# KiCad board driver.kicad_pcb
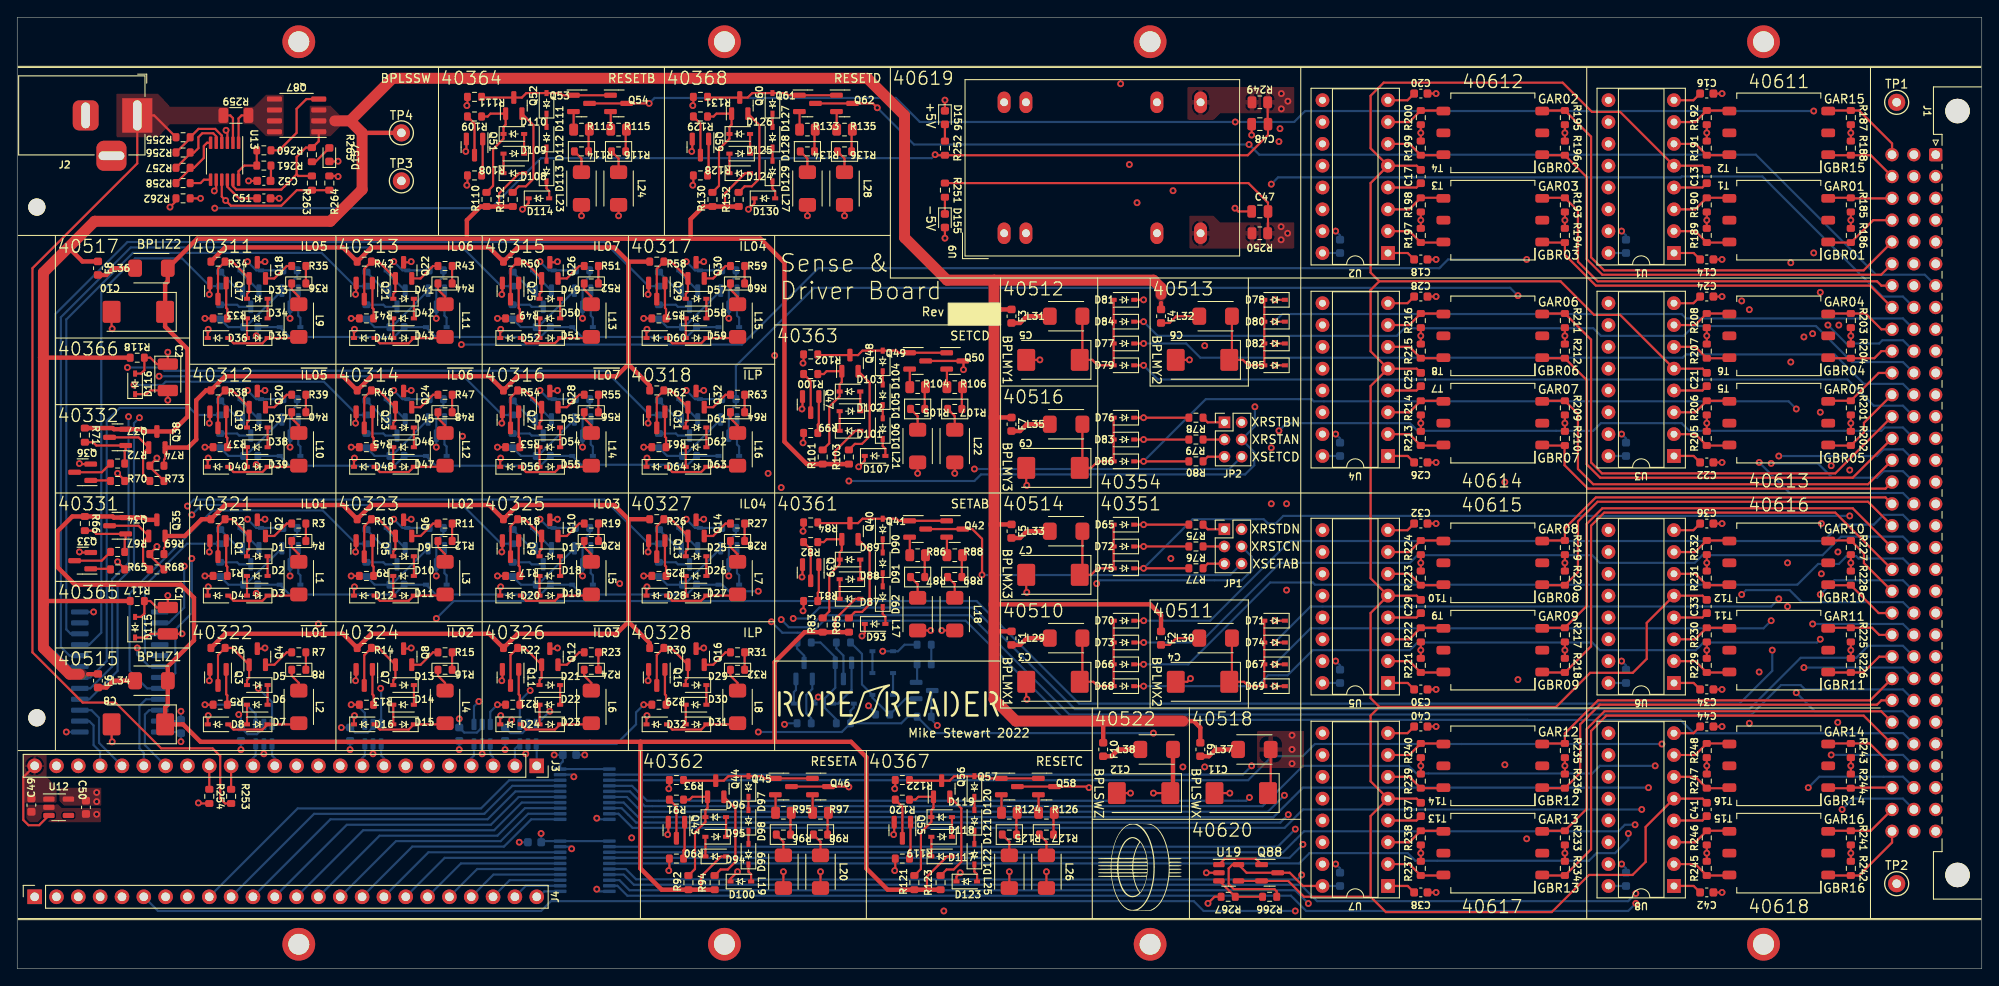
[diagram p0: board, top side]
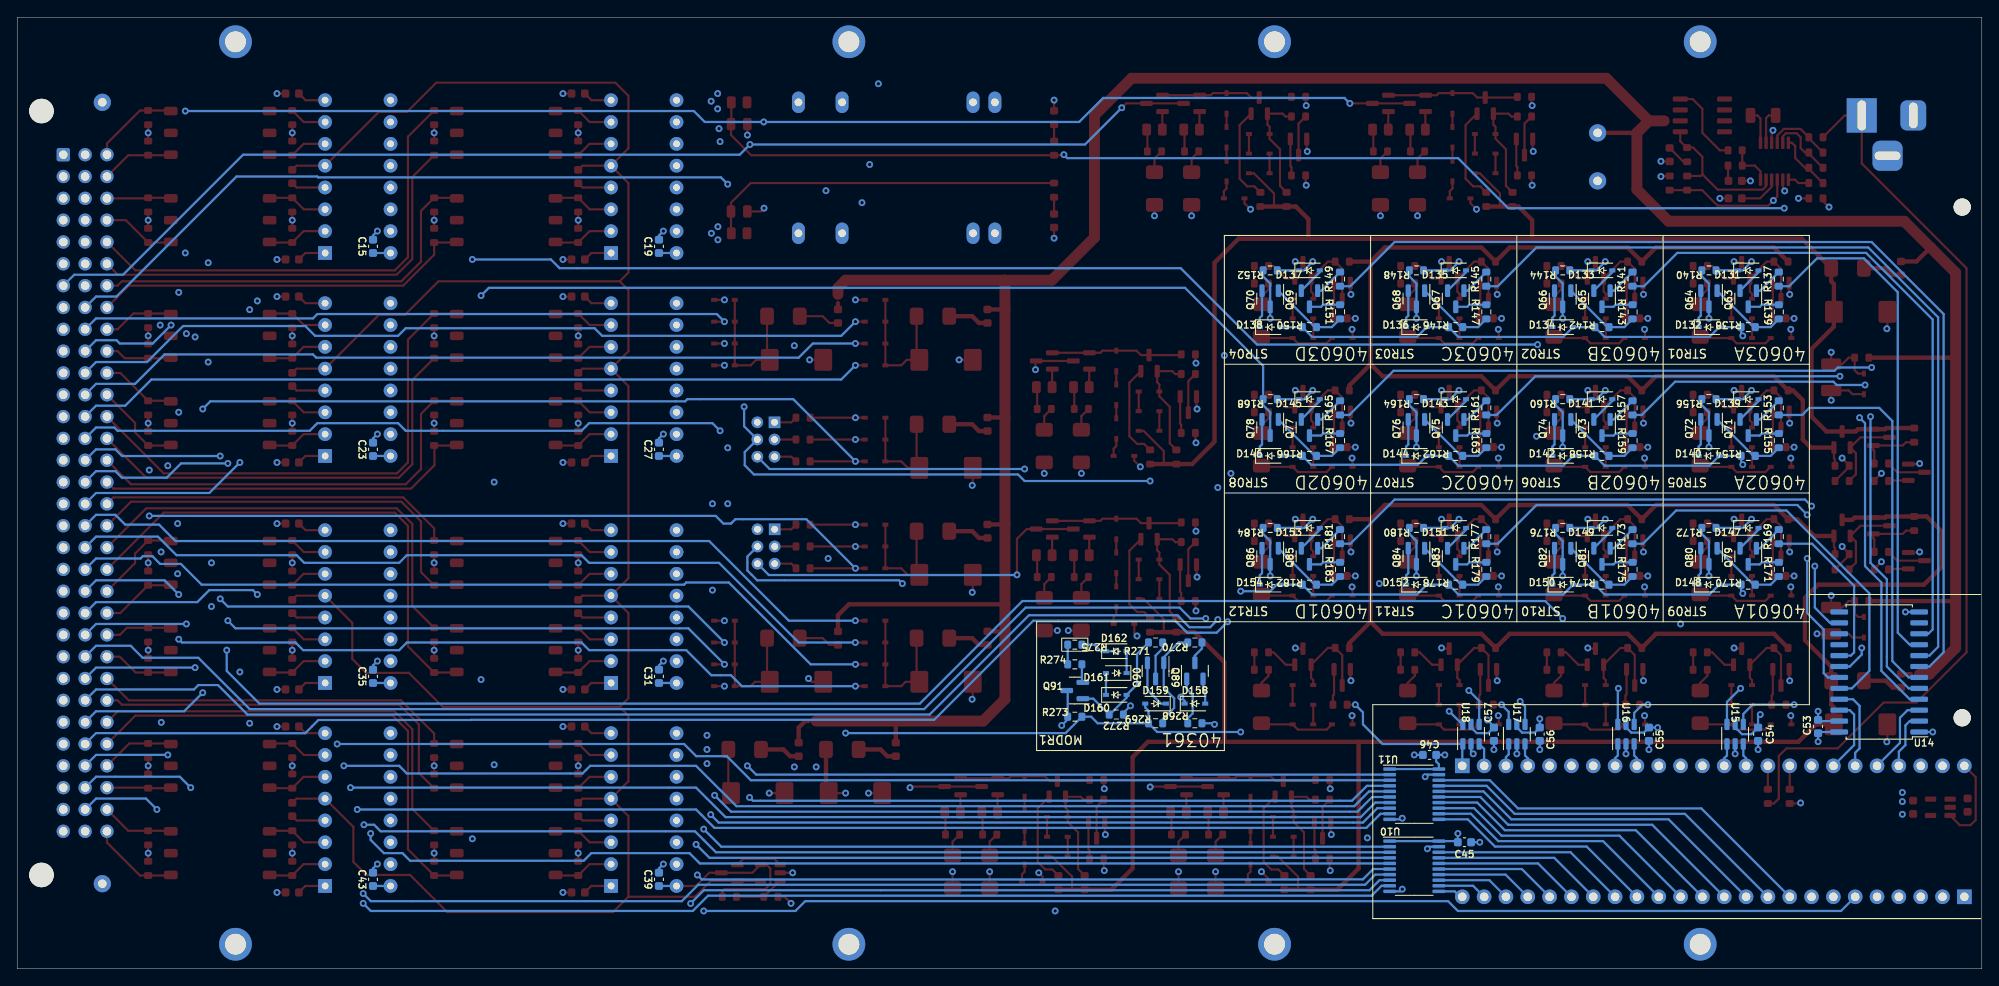
[diagram p1: board, bottom side, seen from below]

Outline 228.6 x 110.74 mm; copper layers: Top, In1.Cu, In2.Cu, In3.Cu, In4.Cu, Bottom. Coordinates in mm from the lower left corner of the outline.
Outline path: rectangle 0,110.74 228.6,0
Stack: Top 0.035mm / dielectric 0.274mm FR4 er 4.5 / In1.Cu 0.035mm / dielectric 0.274mm FR4 er 4.5 / In2.Cu 0.035mm / dielectric 0.274mm FR4 er 4.5 / In3.Cu 0.035mm / dielectric 0.274mm FR4 er 4.5 / In4.Cu 0.035mm / dielectric 0.274mm FR4 er 4.5 / Bottom 0.035mm

## Placement (name value [footprint] x y rotation side)
C1  1.0uF  [CP_EIA-3528-21_Kemet-B]  17.53 40.51 270 top
C2  1.0uF  [CP_EIA-3528-21_Kemet-B]  17.53 68.83 270 top
C3  6.8uF  [CP_EIA-7343-31_Kemet-D]  120.52 33.4 180 top
C4  6.8uF  [CP_EIA-7343-31_Kemet-D]  137.92 33.4 180 top
C5  6.8uF  [CP_EIA-7343-31_Kemet-D]  120.52 70.87 180 top
C6  6.8uF  [CP_EIA-7343-31_Kemet-D]  137.92 70.87 180 top
C7  6.8uF  [CP_EIA-7343-31_Kemet-D]  120.52 45.85 180 top
C8  6.8uF  [CP_EIA-7343-31_Kemet-D]  14.1 28.45 180 top
C9  6.8uF  [CP_EIA-7343-31_Kemet-D]  120.52 58.29 180 top
C10  6.8uF  [CP_EIA-7343-31_Kemet-D]  14.1 76.45 180 top
C11  6.8uF  [CP_EIA-7343-31_Kemet-D]  142.43 20.45 180 top
C12  6.8uF  [CP_EIA-7343-31_Kemet-D]  131.06 20.45 180 top
C13  0.01uF  [C_0603_1608Metric]  196.6 92.2 90 top
C14  100pF  [C_0603_1608Metric]  196.6 82.55 180 top
C15  0.01uF  [C_0603_1608Metric]  187.2 84.07 90 bottom
C16  0.01uF  [C_0603_1608Metric]  196.6 101.85 180 top
C17  0.01uF  [C_0603_1608Metric]  163.32 92.2 90 top
C18  100pF  [C_0603_1608Metric]  163.32 82.55 180 top
C19  0.01uF  [C_0603_1608Metric]  153.92 84.07 90 bottom
C20  0.01uF  [C_0603_1608Metric]  163.32 101.85 180 top
C21  0.01uF  [C_0603_1608Metric]  196.6 68.58 90 top
C22  100pF  [C_0603_1608Metric]  196.6 58.93 180 top
C23  0.01uF  [C_0603_1608Metric]  187.2 60.45 90 bottom
C24  0.01uF  [C_0603_1608Metric]  196.6 78.23 180 top
C25  0.01uF  [C_0603_1608Metric]  163.32 68.58 90 top
C26  100pF  [C_0603_1608Metric]  163.32 58.93 180 top
C27  0.01uF  [C_0603_1608Metric]  153.92 60.45 90 bottom
C28  0.01uF  [C_0603_1608Metric]  163.32 78.23 180 top
C29  0.01uF  [C_0603_1608Metric]  163.32 42.16 90 top
C30  100pF  [C_0603_1608Metric]  163.32 32.51 180 top
C31  0.01uF  [C_0603_1608Metric]  153.92 34.04 90 bottom
C32  0.01uF  [C_0603_1608Metric]  163.32 51.82 180 top
C33  0.01uF  [C_0603_1608Metric]  196.6 42.16 90 top
C34  100pF  [C_0603_1608Metric]  196.6 32.51 180 top
C35  0.01uF  [C_0603_1608Metric]  187.2 34.04 90 bottom
C36  0.01uF  [C_0603_1608Metric]  196.6 51.82 180 top
C37  0.01uF  [C_0603_1608Metric]  163.32 18.54 90 top
C38  100pF  [C_0603_1608Metric]  163.32 8.89 180 top
C39  0.01uF  [C_0603_1608Metric]  153.92 10.41 90 bottom
C40  0.01uF  [C_0603_1608Metric]  163.32 28.19 180 top
C41  0.01uF  [C_0603_1608Metric]  196.6 18.54 90 top
C42  100pF  [C_0603_1608Metric]  196.6 8.89 180 top
C43  0.01uF  [C_0603_1608Metric]  187.2 10.41 90 bottom
C44  0.01uF  [C_0603_1608Metric]  196.6 28.19 180 top
C45  0.1uF  [C_0603_1608Metric]  60.2 14.73 0 bottom
C46  0.1uF  [C_0603_1608Metric]  64.26 24.89 180 bottom
C47  1.0uF  [C_0805_2012Metric]  144.59 88.14 0 top
C48  1.0uF  [C_0805_2012Metric]  144.59 98.3 180 top
C49  1.0uF  [C_0603_1608Metric]  1.65 19.05 90 top
C50  1.0uF  [C_0603_1608Metric]  8 18.8 270 top
C51  100pF  [C_0603_1608Metric]  28.7 89.66 0 top
C52  0.01uF  [C_0603_1608Metric]  28.7 91.69 180 top
C53  0.1uF  [C_0603_1608Metric]  19.05 28.19 270 bottom
C54  0.1uF  [C_0603_1608Metric]  26.04 27.31 270 bottom
C55  0.1uF  [C_0603_1608Metric]  38.74 27.31 270 bottom
C56  0.1uF  [C_0603_1608Metric]  51.43 27.31 270 bottom
C57  0.1uF  [C_0603_1608Metric]  56.77 27.31 270 bottom
D1  1N4148  [D_SOD-323]  27.94 48.01 180 top
D2  1N4148  [D_SOD-323]  27.94 45.72 0 top
D3  1N4148  [D_SOD-323]  27.94 43.43 180 top
D4  1N4148  [D_SOD-323]  23.37 43.43 0 top
D5  1N4148  [D_SOD-323]  27.94 33.02 180 top
D6  1N4148  [D_SOD-323]  27.94 30.73 0 top
D7  1N4148  [D_SOD-323]  27.94 28.45 180 top
D8  1N4148  [D_SOD-323]  23.37 28.45 0 top
D9  1N4148  [D_SOD-323]  44.96 48.01 180 top
D10  1N4148  [D_SOD-323]  44.96 45.72 0 top
D11  1N4148  [D_SOD-323]  44.96 43.43 180 top
D12  1N4148  [D_SOD-323]  40.39 43.43 0 top
D13  1N4148  [D_SOD-323]  44.96 33.02 180 top
D14  1N4148  [D_SOD-323]  44.96 30.73 0 top
D15  1N4148  [D_SOD-323]  44.96 28.45 180 top
D16  1N4148  [D_SOD-323]  40.39 28.45 0 top
D17  1N4148  [D_SOD-323]  61.98 48.01 180 top
D18  1N4148  [D_SOD-323]  61.98 45.72 0 top
D19  1N4148  [D_SOD-323]  61.98 43.43 180 top
D20  1N4148  [D_SOD-323]  57.4 43.43 0 top
D21  1N4148  [D_SOD-323]  61.98 33.02 180 top
D22  1N4148  [D_SOD-323]  61.98 30.73 0 top
D23  1N4148  [D_SOD-323]  61.98 28.45 180 top
D24  1N4148  [D_SOD-323]  57.4 28.45 0 top
D25  1N4148  [D_SOD-323]  78.99 48.01 180 top
D26  1N4148  [D_SOD-323]  78.99 45.72 0 top
D27  1N4148  [D_SOD-323]  78.99 43.43 180 top
D28  1N4148  [D_SOD-323]  74.42 43.43 0 top
D29  1N4148  [D_SOD-323]  78.99 33.02 180 top
D30  1N4148  [D_SOD-323]  78.99 30.73 0 top
D31  1N4148  [D_SOD-323]  78.99 28.45 180 top
D32  1N4148  [D_SOD-323]  74.42 28.45 0 top
D33  1N4148  [D_SOD-323]  27.94 77.98 180 top
D34  1N4148  [D_SOD-323]  27.94 75.69 0 top
D35  1N4148  [D_SOD-323]  27.94 73.41 180 top
D36  1N4148  [D_SOD-323]  23.37 73.41 0 top
D37  1N4148  [D_SOD-323]  27.94 62.99 180 top
D38  1N4148  [D_SOD-323]  27.94 60.71 0 top
D39  1N4148  [D_SOD-323]  27.94 58.42 180 top
D40  1N4148  [D_SOD-323]  23.37 58.42 0 top
D41  1N4148  [D_SOD-323]  44.96 77.98 180 top
D42  1N4148  [D_SOD-323]  44.96 75.69 0 top
D43  1N4148  [D_SOD-323]  44.96 73.41 180 top
D44  1N4148  [D_SOD-323]  40.39 73.41 0 top
D45  1N4148  [D_SOD-323]  44.96 62.99 180 top
D46  1N4148  [D_SOD-323]  44.96 60.71 0 top
D47  1N4148  [D_SOD-323]  44.96 58.42 180 top
D48  1N4148  [D_SOD-323]  40.39 58.42 0 top
D49  1N4148  [D_SOD-323]  61.98 77.98 180 top
D50  1N4148  [D_SOD-323]  61.98 75.69 0 top
D51  1N4148  [D_SOD-323]  61.98 73.41 180 top
D52  1N4148  [D_SOD-323]  57.4 73.41 0 top
D53  1N4148  [D_SOD-323]  61.98 62.99 180 top
D54  1N4148  [D_SOD-323]  61.98 60.71 0 top
D55  1N4148  [D_SOD-323]  61.98 58.42 180 top
D56  1N4148  [D_SOD-323]  57.4 58.42 0 top
D57  1N4148  [D_SOD-323]  78.99 77.98 180 top
D58  1N4148  [D_SOD-323]  78.99 75.69 0 top
D59  1N4148  [D_SOD-323]  78.99 73.41 180 top
D60  1N4148  [D_SOD-323]  74.42 73.41 0 top
D61  1N4148  [D_SOD-323]  78.99 62.99 180 top
D62  1N4148  [D_SOD-323]  78.99 60.71 0 top
D63  1N4148  [D_SOD-323]  78.99 58.42 180 top
D64  1N4148  [D_SOD-323]  74.42 58.42 0 top
D65  1N4148  [D_SOD-323]  128.78 51.69 180 top
D66  1N4148  [D_SOD-323]  128.78 35.43 180 top
D67  1N4148  [D_SOD-323]  146.3 35.43 180 top
D68  1N4148  [D_SOD-323]  128.78 32.89 180 top
D69  1N4148  [D_SOD-323]  146.3 32.89 180 top
D70  1N4148  [D_SOD-323]  128.79 40.51 180 top
D71  1N4148  [D_SOD-323]  146.3 40.51 180 top
D72  1N4148  [D_SOD-323]  128.78 49.15 180 top
D73  1N4148  [D_SOD-323]  128.79 37.97 180 top
D74  1N4148  [D_SOD-323]  146.3 37.97 180 top
D75  1N4148  [D_SOD-323]  128.78 46.61 180 top
D76  1N4148  [D_SOD-323]  128.78 64.14 180 top
D77  1N4148  [D_SOD-323]  128.78 72.77 180 top
D78  1N4148  [D_SOD-323]  146.3 77.85 180 top
D79  1N4148  [D_SOD-323]  128.78 70.23 180 top
D80  1N4148  [D_SOD-323]  146.3 75.31 180 top
D81  1N4148  [D_SOD-323]  128.78 77.85 180 top
D82  1N4148  [D_SOD-323]  146.3 72.77 180 top
D83  1N4148  [D_SOD-323]  128.78 61.59 180 top
D84  1N4148  [D_SOD-323]  128.78 75.31 180 top
D85  1N4148  [D_SOD-323]  146.3 70.23 180 top
D86  1N4148  [D_SOD-323]  128.78 59.06 180 top
D87  1N4148  [D_SOD-323]  96.9 43.05 0 top
D88  1N4148  [D_SOD-323]  96.9 45.34 180 top
D89  1N4148  [D_SOD-323]  96.9 47.62 0 top
D90  1N4148  [D_SOD-323]  100.71 51.18 90 top
D91  1N4148  [D_SOD-323]  100.71 47.24 90 top
D92  1N4148  [D_SOD-323]  100.71 43.31 90 top
D93  1N4148  [D_SOD-323]  99.82 40.13 0 top
D94  1N4148  [D_SOD-323]  81.28 13.08 0 top
D95  1N4148  [D_SOD-323]  81.28 15.37 180 top
D96  1N4148  [D_SOD-323]  81.28 17.65 0 top
D97  1N4148  [D_SOD-323]  85.09 21.21 90 top
D98  1N4148  [D_SOD-323]  85.09 17.27 90 top
D99  1N4148  [D_SOD-323]  85.09 13.34 90 top
D100  1N4148  [D_SOD-323]  84.2 10.16 0 top
D101  1N4148  [D_SOD-323]  96.9 62.61 0 top
D102  1N4148  [D_SOD-323]  96.9 64.9 180 top
D103  1N4148  [D_SOD-323]  96.9 67.18 0 top
D104  1N4148  [D_SOD-323]  100.71 70.74 90 top
D105  1N4148  [D_SOD-323]  100.71 66.8 90 top
D106  1N4148  [D_SOD-323]  100.71 62.87 90 top
D107  1N4148  [D_SOD-323]  99.82 59.69 0 top
D108  1N4148  [D_SOD-323]  57.79 92.58 0 top
D109  1N4148  [D_SOD-323]  57.79 94.87 180 top
D110  1N4148  [D_SOD-323]  57.79 97.16 0 top
D111  1N4148  [D_SOD-323]  61.6 100.71 90 top
D112  1N4148  [D_SOD-323]  61.6 96.77 90 top
D113  1N4148  [D_SOD-323]  61.6 92.84 90 top
D114  1N4148  [D_SOD-323]  60.71 89.66 0 top
D115  1N4148  [D_SOD-323]  13.72 39.75 90 top
D116  1N4148  [D_SOD-323]  13.72 68.07 90 top
D117  1N4148  [D_SOD-323]  107.57 13.08 0 top
D118  1N4148  [D_SOD-323]  107.57 15.37 180 top
D119  1N4148  [D_SOD-323]  107.57 17.65 0 top
D120  1N4148  [D_SOD-323]  111.38 21.21 90 top
D121  1N4148  [D_SOD-323]  111.38 17.27 90 top
D122  1N4148  [D_SOD-323]  111.38 13.34 90 top
D123  1N4148  [D_SOD-323]  110.49 10.16 0 top
D124  1N4148  [D_SOD-323]  84.07 92.58 0 top
D125  1N4148  [D_SOD-323]  84.07 94.87 180 top
D126  1N4148  [D_SOD-323]  84.07 97.16 0 top
D127  1N4148  [D_SOD-323]  87.88 100.71 90 top
D128  1N4148  [D_SOD-323]  87.88 96.77 90 top
D129  1N4148  [D_SOD-323]  87.88 92.84 90 top
D130  1N4148  [D_SOD-323]  87 89.66 0 top
D131  1N4148  [D_SOD-323]  27.18 81.28 180 bottom
D132  1N4148  [D_SOD-323]  31.75 74.68 180 bottom
D133  1N4148  [D_SOD-323]  44.2 81.28 180 bottom
D134  1N4148  [D_SOD-323]  48.77 74.68 180 bottom
D135  1N4148  [D_SOD-323]  61.21 81.28 180 bottom
D136  1N4148  [D_SOD-323]  65.79 74.68 180 bottom
D137  1N4148  [D_SOD-323]  78.23 81.28 180 bottom
D138  1N4148  [D_SOD-323]  82.8 74.68 180 bottom
D139  1N4148  [D_SOD-323]  27.18 66.29 180 bottom
D140  1N4148  [D_SOD-323]  31.75 59.69 180 bottom
D141  1N4148  [D_SOD-323]  44.2 66.29 180 bottom
D142  1N4148  [D_SOD-323]  48.77 59.69 180 bottom
D143  1N4148  [D_SOD-323]  61.21 66.29 180 bottom
D144  1N4148  [D_SOD-323]  65.79 59.69 180 bottom
D145  1N4148  [D_SOD-323]  78.23 66.29 180 bottom
D146  1N4148  [D_SOD-323]  82.8 59.69 180 bottom
D147  1N4148  [D_SOD-323]  27.18 51.31 180 bottom
D148  1N4148  [D_SOD-323]  31.75 44.7 180 bottom
D149  1N4148  [D_SOD-323]  44.2 51.31 180 bottom
D150  1N4148  [D_SOD-323]  48.77 44.7 180 bottom
D151  1N4148  [D_SOD-323]  61.21 51.31 180 bottom
D152  1N4148  [D_SOD-323]  65.79 44.7 180 bottom
D153  1N4148  [D_SOD-323]  78.23 51.31 180 bottom
D154  1N4148  [D_SOD-323]  82.8 44.7 180 bottom
D155  BLUE  [LED_0603_1608Metric]  107.95 87.06 270 top
D156  TEAL  [LED_0603_1608Metric]  107.95 99.06 270 top
D157  ORANGE  [LED_0603_1608Metric]  36.32 94.74 90 top
D158  1N4148  [D_SOD-323]  91.57 30.86 180 bottom
D159  1N4148  [D_SOD-323]  96.14 30.86 0 bottom
D160  1N4148  [D_SOD-323]  100.71 31.88 180 bottom
D161  1N4148  [D_SOD-323]  100.71 34.42 0 bottom
D162  1N4148  [D_SOD-323]  100.71 36.96 180 bottom
F1  250mA  [Fuse_0603_1608Metric]  115.7 38.48 90 top
F2  250mA  [Fuse_0603_1608Metric]  133.1 38.48 90 top
F3  250mA  [Fuse_0603_1608Metric]  115.7 75.95 90 top
F4  250mA  [Fuse_0603_1608Metric]  133.1 75.95 90 top
F5  250mA  [Fuse_0603_1608Metric]  115.7 50.93 90 top
F6  250mA  [Fuse_0603_1608Metric]  9.4 33.53 90 top
F7  250mA  [Fuse_0603_1608Metric]  115.7 63.37 90 top
F8  250mA  [Fuse_0603_1608Metric]  9.4 81.53 90 top
F9  250mA  [Fuse_0603_1608Metric]  137.67 25.53 90 top
F10  250mA  [Fuse_0603_1608Metric]  126.36 25.53 90 top
G***  LOGO  [onecore]  130.68 11.81 0 top
G***#2  LOGO  [rope_curve]  101.35 30.73 0 top
H1  MountingHole_Pad  [MountingHole_No2_Pad]  32.77 107.89 0 top
H2  MountingHole_Pad  [MountingHole_No2_Pad]  82.3 107.89 0 top
H3  MountingHole_Pad  [MountingHole_No2_Pad]  131.83 107.89 0 top
H4  MountingHole_Pad  [MountingHole_No2_Pad]  203.2 107.89 0 top
H5  MountingHole_Pad  [MountingHole_No2_Pad]  32.77 2.86 0 top
H6  MountingHole_Pad  [MountingHole_No2_Pad]  82.3 2.86 0 top
H7  MountingHole_Pad  [MountingHole_No2_Pad]  131.83 2.86 0 top
H8  MountingHole_Pad  [MountingHole_No2_Pad]  203.2 2.86 0 top
H9  MountingHole  [MountingHole_2mm]  2.29 29.21 0 top
H10  MountingHole  [MountingHole_2mm]  2.29 88.65 0 top
J1  DIN41612_03x32_C  [DIN41612_C_3x32_Male_Horizontal_THT]  223.23 94.74 270 top
J2  Barrel_Jack_Switch  [BarrelJack_CUI_PJ-002A]  13.97 99.31 0 top
J3  Conn_01x24  [PinSocket_1x24_P2.54mm_Vertical]  60.45 23.62 270 top
J4  Conn_01x24  [PinSocket_1x24_P2.54mm_Vertical]  2.03 8.38 90 top
JP1  Conn_02x03_Odd_Even  [PinHeader_2x03_P2.00mm_Vertical]  140.46 51.15 0 top
JP2  Conn_02x03_Odd_Even  [PinHeader_2x03_P2.00mm_Vertical]  140.48 63.59 0 top
L1  2.2uH  [API_Delevan_1812R]  32.77 45.47 270 top
L2  2.2uH  [API_Delevan_1812R]  32.77 30.48 270 top
L3  2.2uH  [API_Delevan_1812R]  49.78 45.47 270 top
L4  2.2uH  [API_Delevan_1812R]  49.78 30.48 270 top
L5  2.2uH  [API_Delevan_1812R]  66.8 45.47 270 top
L6  2.2uH  [API_Delevan_1812R]  66.8 30.48 270 top
L7  2.2uH  [API_Delevan_1812R]  83.82 45.47 270 top
L8  2.2uH  [API_Delevan_1812R]  83.82 30.48 270 top
L9  2.2uH  [API_Delevan_1812R]  32.77 75.44 270 top
L10  2.2uH  [API_Delevan_1812R]  32.77 60.45 270 top
L11  2.2uH  [API_Delevan_1812R]  49.78 75.44 270 top
L12  2.2uH  [API_Delevan_1812R]  49.78 60.45 270 top
L13  2.2uH  [API_Delevan_1812R]  66.8 75.44 270 top
L14  2.2uH  [API_Delevan_1812R]  66.8 60.45 270 top
L15  2.2uH  [API_Delevan_1812R]  83.82 75.44 270 top
L16  2.2uH  [API_Delevan_1812R]  83.82 60.45 270 top
L17  3.9uH  [API_Delevan_1812R]  104.78 41.28 270 top
L18  3.9uH  [API_Delevan_1812R]  109.09 41.28 270 top
L19  3.9uH  [API_Delevan_1812R]  89.15 11.3 270 top
L20  3.9uH  [API_Delevan_1812R]  93.47 11.3 270 top
L21  3.9uH  [API_Delevan_1812R]  104.78 60.83 270 top
L22  3.9uH  [API_Delevan_1812R]  109.09 60.83 270 top
L23  3.9uH  [API_Delevan_1812R]  65.66 90.81 270 top
L24  3.9uH  [API_Delevan_1812R]  69.98 90.81 270 top
L25  3.9uH  [API_Delevan_1812R]  115.44 11.3 270 top
L26  3.9uH  [API_Delevan_1812R]  119.76 11.3 270 top
L27  3.9uH  [API_Delevan_1812R]  91.95 90.81 270 top
L28  3.9uH  [API_Delevan_1812R]  96.27 90.81 270 top
L29  8.2uH  [API_Delevan_1812R]  122.05 38.48 0 top
L30  8.2uH  [API_Delevan_1812R]  139.45 38.48 0 top
L31  8.2uH  [API_Delevan_1812R]  122.05 75.95 0 top
L32  8.2uH  [API_Delevan_1812R]  139.45 75.95 0 top
L33  8.2uH  [API_Delevan_1812R]  122.05 50.93 0 top
L34  8.2uH  [API_Delevan_1812R]  15.63 33.53 0 top
L35  8.2uH  [API_Delevan_1812R]  122.05 63.37 0 top
L36  8.2uH  [API_Delevan_1812R]  15.62 81.53 0 top
L37  8.2uH  [API_Delevan_1812R]  143.95 25.53 0 top
L38  8.2uH  [API_Delevan_1812R]  132.59 25.53 0 top
Q1  MMBT2222  [SOT-23]  23.37 48.9 270 top
Q2  MMBT2222  [SOT-23]  27.94 51.31 90 top
Q3  MMBT2222  [SOT-23]  23.37 33.91 270 top
Q4  MMBT2222  [SOT-23]  27.94 36.32 90 top
Q5  MMBT2222  [SOT-23]  40.39 48.9 270 top
Q6  MMBT2222  [SOT-23]  44.96 51.31 90 top
Q7  MMBT2222  [SOT-23]  40.39 33.91 270 top
Q8  MMBT2222  [SOT-23]  44.96 36.32 90 top
Q9  MMBT2222  [SOT-23]  57.4 48.9 270 top
Q10  MMBT2222  [SOT-23]  61.98 51.31 90 top
Q11  MMBT2222  [SOT-23]  57.4 33.91 270 top
Q12  MMBT2222  [SOT-23]  61.98 36.32 90 top
Q13  MMBT2222  [SOT-23]  74.42 48.9 270 top
Q14  MMBT2222  [SOT-23]  78.99 51.31 90 top
Q15  MMBT2222  [SOT-23]  74.42 33.91 270 top
Q16  MMBT2222  [SOT-23]  78.99 36.32 90 top
Q17  MMBT2222  [SOT-23]  23.37 78.87 270 top
Q18  MMBT2222  [SOT-23]  27.94 81.28 90 top
Q19  MMBT2222  [SOT-23]  23.37 63.88 270 top
Q20  MMBT2222  [SOT-23]  27.94 66.29 90 top
Q21  MMBT2222  [SOT-23]  40.39 78.87 270 top
Q22  MMBT2222  [SOT-23]  44.96 81.28 90 top
Q23  MMBT2222  [SOT-23]  40.39 63.88 270 top
Q24  MMBT2222  [SOT-23]  44.96 66.29 90 top
Q25  MMBT2222  [SOT-23]  57.4 78.87 270 top
Q26  MMBT2222  [SOT-23]  61.98 81.28 90 top
Q27  MMBT2222  [SOT-23]  57.4 63.88 270 top
Q28  MMBT2222  [SOT-23]  61.98 66.29 90 top
Q29  MMBT2222  [SOT-23]  74.42 78.87 270 top
Q30  MMBT2222  [SOT-23]  78.99 81.28 90 top
Q31  MMBT2222  [SOT-23]  74.42 63.88 270 top
Q32  MMBT2222  [SOT-23]  78.99 66.29 90 top
Q33  MMBT2222  [SOT-23]  7.62 47.5 180 top
Q34  MMBT2907  [SOT-23]  11.68 51.56 180 top
Q35  MMBT2222  [SOT-23]  16.26 51.31 90 top
Q36  MMBT2222  [SOT-23]  7.62 57.79 180 top
Q37  MMBT2907  [SOT-23]  11.68 61.85 180 top
Q38  MMBT2222  [SOT-23]  16.26 61.59 90 top
Q39  MMBT2222  [SOT-23]  92.33 46.1 270 top
Q40  MMBT2907  [SOT-23]  96.9 50.93 90 top
Q41  MMBT2222  [SOT-23]  104.78 51.18 0 top
Q42  MMBT2222  [SOT-23]  109.09 51.18 0 top
Q43  MMBT2222  [SOT-23]  76.71 16.13 270 top
Q44  MMBT2907  [SOT-23]  81.28 20.96 90 top
Q45  MMBT2222  [SOT-23]  89.15 21.21 0 top
Q46  MMBT2222  [SOT-23]  93.47 21.21 0 top
Q47  MMBT2222  [SOT-23]  92.33 65.66 270 top
Q48  MMBT2907  [SOT-23]  96.9 70.48 90 top
Q49  MMBT2222  [SOT-23]  104.78 70.74 0 top
Q50  MMBT2222  [SOT-23]  109.09 70.74 0 top
Q51  MMBT2222  [SOT-23]  53.21 95.63 270 top
Q52  MMBT2907  [SOT-23]  57.79 100.46 90 top
Q53  MMBT2222  [SOT-23]  65.66 100.71 0 top
Q54  MMBT2222  [SOT-23]  69.98 100.71 0 top
Q55  MMBT2222  [SOT-23]  103 16.13 270 top
Q56  MMBT2907  [SOT-23]  107.57 20.96 90 top
Q57  MMBT2222  [SOT-23]  115.44 21.21 0 top
Q58  MMBT2222  [SOT-23]  119.76 21.21 0 top
Q59  MMBT2222  [SOT-23]  79.5 95.63 270 top
Q60  MMBT2907  [SOT-23]  84.07 100.46 90 top
Q61  MMBT2222  [SOT-23]  91.95 100.71 0 top
Q62  MMBT2222  [SOT-23]  96.27 100.71 0 top
Q63  MMBT2222  [SOT-23]  27.18 77.98 270 bottom
Q64  MMBT2907  [SOT-23]  31.75 77.98 270 bottom
Q65  MMBT2222  [SOT-23]  44.2 77.98 270 bottom
Q66  MMBT2907  [SOT-23]  48.77 77.98 270 bottom
Q67  MMBT2222  [SOT-23]  61.21 77.98 270 bottom
Q68  MMBT2907  [SOT-23]  65.79 77.98 270 bottom
Q69  MMBT2222  [SOT-23]  78.23 77.98 270 bottom
Q70  MMBT2907  [SOT-23]  82.8 77.98 270 bottom
Q71  MMBT2222  [SOT-23]  27.18 62.99 270 bottom
Q72  MMBT2907  [SOT-23]  31.75 62.99 270 bottom
Q73  MMBT2222  [SOT-23]  44.2 62.99 270 bottom
Q74  MMBT2907  [SOT-23]  48.77 62.99 270 bottom
Q75  MMBT2222  [SOT-23]  61.21 62.99 270 bottom
Q76  MMBT2907  [SOT-23]  65.79 62.99 270 bottom
Q77  MMBT2222  [SOT-23]  78.23 62.99 270 bottom
Q78  MMBT2907  [SOT-23]  82.8 62.99 270 bottom
Q79  MMBT2222  [SOT-23]  27.18 48.01 270 bottom
Q80  MMBT2907  [SOT-23]  31.75 48.01 270 bottom
Q81  MMBT2222  [SOT-23]  44.2 48.01 270 bottom
Q82  MMBT2907  [SOT-23]  48.77 48.01 270 bottom
Q83  MMBT2222  [SOT-23]  61.21 48.01 270 bottom
Q84  MMBT2907  [SOT-23]  65.79 48.01 270 bottom
Q85  MMBT2222  [SOT-23]  78.23 48.01 270 bottom
Q86  MMBT2907  [SOT-23]  82.8 48.01 270 bottom
Q87  IRF7413  [SO-8_3.9x4.9mm_P1.27mm]  32.51 99.31 180 top
Q88  MMBT2222  [SOT-23]  145.73 11.18 0 top
Q89  MMBT2222  [SOT-23]  91.57 34.67 90 bottom
Q90  MMBT2907  [SOT-23]  96.14 34.67 270 bottom
Q91  MMBT2222  [SOT-23]  105.54 32.39 0 bottom
R1  1k  [R_0603_1608Metric]  23.62 45.72 180 top
R2  390  [R_0603_1608Metric]  23.37 52.32 0 top
R3  4.7  [R_0603_1608Metric]  32.77 51.82 0 top
R4  1.8  [R_0603_1608Metric]  32.77 49.78 180 top
R5  1k  [R_0603_1608Metric]  23.62 30.73 180 top
R6  390  [R_0603_1608Metric]  23.37 37.34 0 top
R7  4.7  [R_0603_1608Metric]  32.77 36.83 0 top
R8  1.8  [R_0603_1608Metric]  32.77 34.8 180 top
R9  1k  [R_0603_1608Metric]  40.64 45.72 180 top
R10  390  [R_0603_1608Metric]  40.39 52.32 0 top
R11  4.7  [R_0603_1608Metric]  49.78 51.82 0 top
R12  1.8  [R_0603_1608Metric]  49.78 49.78 180 top
R13  1k  [R_0603_1608Metric]  40.64 30.73 180 top
R14  390  [R_0603_1608Metric]  40.39 37.34 0 top
R15  4.7  [R_0603_1608Metric]  49.78 36.83 0 top
R16  1.8  [R_0603_1608Metric]  49.78 34.8 180 top
R17  1k  [R_0603_1608Metric]  57.66 45.72 180 top
R18  390  [R_0603_1608Metric]  57.4 52.32 0 top
R19  4.7  [R_0603_1608Metric]  66.8 51.82 0 top
R20  1.8  [R_0603_1608Metric]  66.8 49.78 180 top
R21  1k  [R_0603_1608Metric]  57.66 30.73 180 top
R22  390  [R_0603_1608Metric]  57.4 37.34 0 top
R23  4.7  [R_0603_1608Metric]  66.8 36.83 0 top
R24  1.8  [R_0603_1608Metric]  66.8 34.8 180 top
R25  1k  [R_0603_1608Metric]  74.68 45.72 180 top
R26  390  [R_0603_1608Metric]  74.42 52.32 0 top
R27  4.7  [R_0603_1608Metric]  83.82 51.82 0 top
R28  1.8  [R_0603_1608Metric]  83.82 49.78 180 top
R29  1k  [R_0603_1608Metric]  74.68 30.73 180 top
R30  390  [R_0603_1608Metric]  74.42 37.34 0 top
R31  4.7  [R_0603_1608Metric]  83.82 36.83 0 top
R32  1.8  [R_0603_1608Metric]  83.82 34.8 180 top
R33  1k  [R_0603_1608Metric]  23.62 75.69 180 top
R34  390  [R_0603_1608Metric]  23.37 82.3 0 top
R35  4.7  [R_0603_1608Metric]  32.77 81.79 0 top
R36  1.8  [R_0603_1608Metric]  32.77 79.76 180 top
R37  1k  [R_0603_1608Metric]  23.62 60.71 180 top
R38  390  [R_0603_1608Metric]  23.37 67.31 0 top